# Altium PCB IDC_MCX_Adapter_flex.PCBDOC (part 2 of 4) (continued)
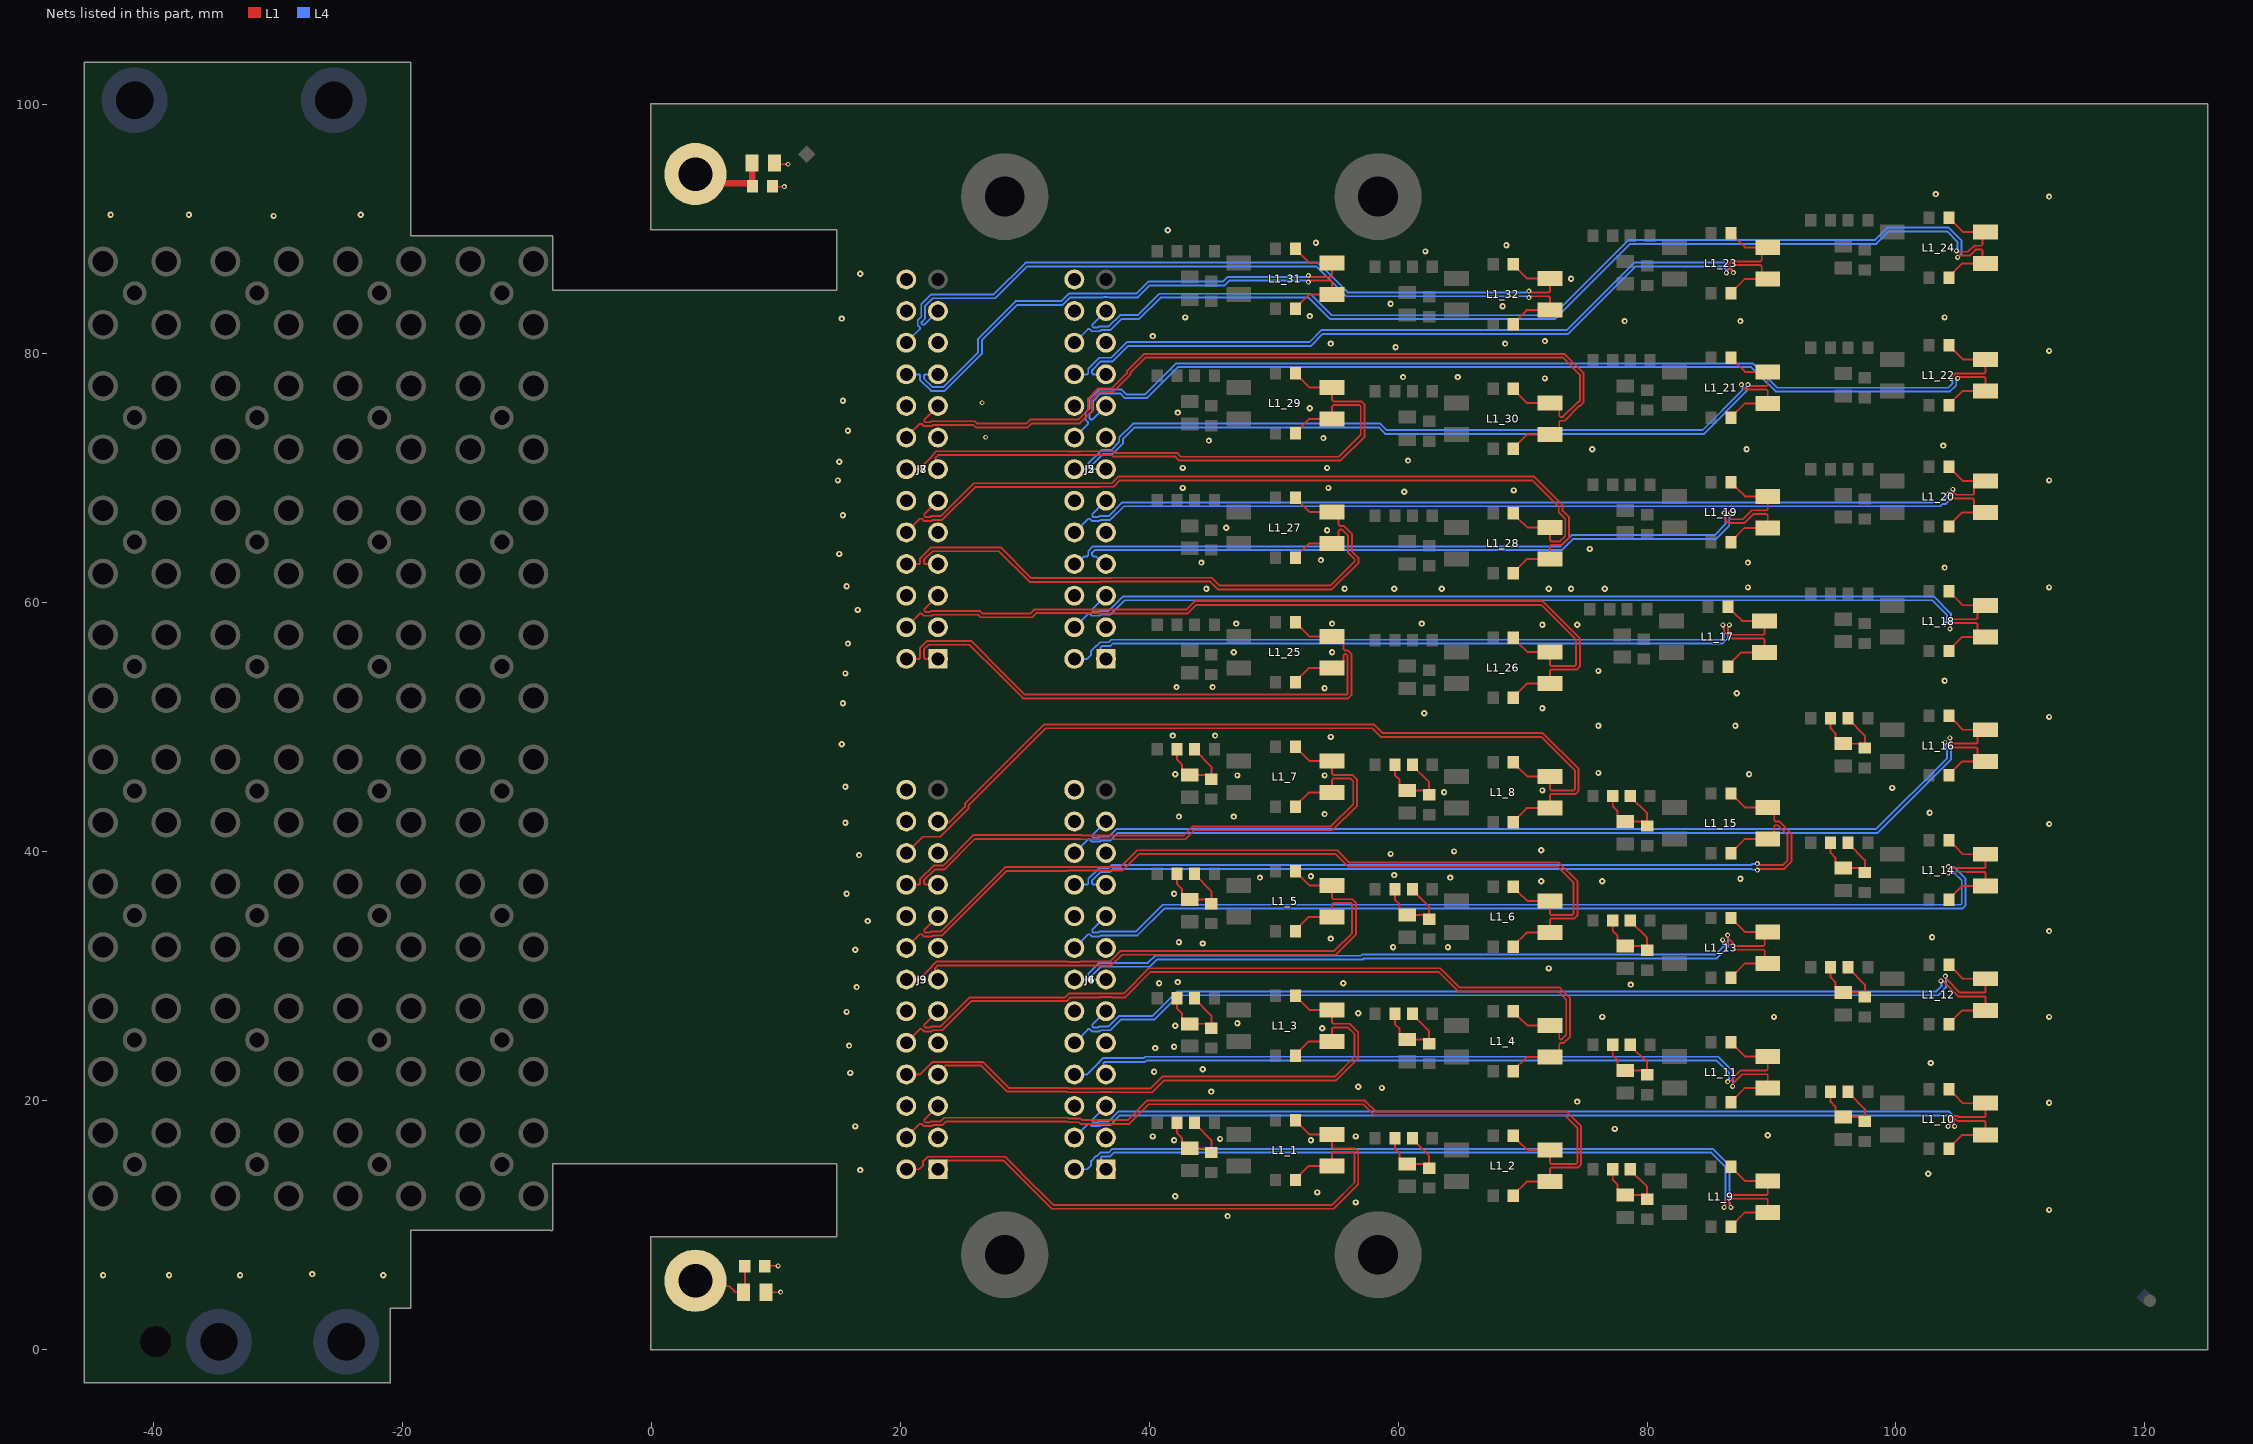
[diagram p4: the nets of this part, all layers, seen from the top]
## Nets (pads, with @x,y where several pads share a name; then routed paths per layer and width w, separated by ;. In a path a pad name is that pad's centre, name@x,y a point inside that pad or via, vN(x,y) a via of type N, cw(c..) or ccw(c..) an arc to the next point about the centre after c; other vN are vias at no path point) (continued)
IN_N18: J2.5 J5.5 L1_18.3 R5_18.2 | length 80.3
  L1 w0.152: R5_18.2@104.25,56.1 104.25,56.15 105.33,57.23 L1_18.3@107.076,57.23 ; v2(104.323,57.877) 104.37,57.925 104.37,58.111 104.607,58.348 106.463,58.348 106.553,58.258 106.553,57.754 L1_18.3@107.076,57.23 ; L1_18.3@107.2,57.23 L1_18.3@107.076,57.23
  L4 w0.152: J2.5@36.532,60.546 35.433,59.447 35.433,59.321 35.523,59.232 35.908,59.232 35.991,59.314 36.755,59.314 37.924,60.483 103.026,60.483 104.405,59.105 104.405,58.274 104.37,58.239 104.37,57.925 v2(104.323,57.877)
IN_N19: J2.8 J5.8 L1_19.3 R5_19.2 | length 63.7
  L1 w0.152: v2(86.189,67.2) 86.189,67.133 86.3,67.022 86.3,66.645 86.568,66.377 87.811,66.377 88.531,67.098 89.611,67.098 89.7,67.008 L1_19.3@89.7,65.98 87.83,65.98 86.75,64.9 R5_19.2@86.75,64.85
  L4 w0.152: J2.8@33.992,63.086 34.184,63.086 34.798,63.7 35.021,63.7 35.11,63.789 35.11,64.126 35.489,64.505 73.039,64.505 73.939,65.405 85.425,65.405 86.3,66.28 86.3,66.8 86.236,66.864 86.236,67.153 v2(86.189,67.2)
IN_N20: J2.11 J5.11 L1_20.3 R5_20.2 | length 77.7
  L1 w0.152: v2(104.2,68.7) 104.247,68.653 104.404,68.653 104.71,68.348 106.187,68.348 106.276,68.258 106.276,67.628 106.674,67.23 105.33,67.23 104.25,66.15 R5_20.2@104.25,66.1
  L4 w0.152: J2.11@36.532,68.166 35.433,67.067 35.433,66.941 35.523,66.852 35.908,66.852 35.991,66.934 36.755,66.934 37.856,68.035 103.435,68.035 103.616,68.216 103.884,68.216 104.221,68.552 104.221,68.679 v2(104.2,68.7)
IN_N21: J2.14 J5.14 L1_21.3 R5_21.2 | length 64.5
  L1 w0.152: R5_21.2@86.75,74.85 86.75,74.9 87.83,75.98 L1_21.3@89.7,75.98 89.7,77.008 89.611,77.098 87.933,77.098 87.573,77.458 v2(87.573,77.5)
  L4 w0.152: J2.14@33.992,70.706 35.021,70.706 35.11,70.795 35.11,71.169 36.184,72.243 36.948,72.243 37.603,72.898 37.603,73.256 38.708,74.362 58.561,74.362 59.08,73.843 84.456,73.843 87.685,77.071 87.685,77.321 87.573,77.433 v2(87.573,77.5)
IN_N22: J2.17 J5.17 L1_22.3 R5_22.2 | length 82.5
  L1 w0.152: R5_22.2@104.25,75.85 104.25,75.9 105.33,76.98 L1_22.3@107.2,76.98 107.2,78.008 107.111,78.098 105.039,78.098 104.95,78.008 v2(104.95,77.999)
  L4 w0.152: J2.17@36.532,75.786 35.433,74.687 35.307,74.687 35.218,74.776 35.218,75.162 35.504,75.448 35.504,76.177 36.117,76.79 37.674,76.79 38.053,76.411 39.811,76.411 42.3,78.9 88.369,78.9 89.184,78.084 90.324,76.945 104.338,76.945 104.838,77.445 104.838,77.821 104.95,77.932 v2(104.95,77.999)
IN_N23: J2.20 J5.20 L1_23.3 R5_23.2 | length 65
  L1 w0.152: R5_23.2@86.75,84.85 86.75,84.9 87.83,85.98 L1_23.3@89.7,85.98 89.218,86.462 89.218,87.008 89.129,87.098 86.946,87.098 86.795,86.946 86.795,86.699 86.927,86.567 v2(86.927,86.5)
  L4 w0.152: J2.20@33.992,78.326 35.021,78.326 35.11,78.415 35.11,78.789 35.981,79.66 36.955,79.66 38.211,80.916 52.884,80.916 53.842,81.873 73.542,81.873 78.974,87.305 86.226,87.305 86.516,87.016 86.664,86.867 86.664,86.83 86.927,86.567 v2(86.927,86.5)
IN_N24: J2.23 J5.23 L1_24.3 R5_24.2 | length 85.1
  L1 w0.152: R5_24.2@104.25,86.1 104.25,86.15 105.33,87.23 L1_24.3@107.2,87.23 106.949,87.481 106.949,88.258 106.86,88.348 106.394,88.348 105.91,87.863 105.157,87.863 105.017,87.723 v2(104.95,87.723)
  L4 w0.152: J2.23@36.532,83.406 35.433,82.307 35.433,82.181 35.523,82.092 35.908,82.092 35.991,82.174 36.755,82.174 37.67,83.089 39.084,83.089 40.795,84.8 52.931,84.8 54.661,83.07 72.47,83.07 78.508,89.108 98.292,89.108 99.289,90.105 104.226,90.105 105.116,89.216 105.255,89.076 105.255,88.028 v2(104.95,87.723)
IN_N25: J7.2 J8.2 L1_25.3 R5_25.2 | length 46.9
  L1 w0.152: J7.2@20.492,55.466 21.521,55.466 21.61,55.555 21.61,56.348 22.167,56.905 25.695,56.905 28.4,54.2 30,52.6 55.861,52.6 55.95,52.689 55.95,55.737 55.839,55.848 55.713,55.848 55.624,55.758 55.624,55.254 55.1,54.73 L1_25.3@54.7,54.73 52.83,54.73 51.75,53.65 R5_25.2@51.75,53.6
IN_N26: J7.5 J8.5 L1_26.3 R5_26.2 | length 65.5
  L1 w0.152: J7.5@23.032,60.546 21.933,59.447 21.933,59.321 22.023,59.232 22.408,59.232 22.491,59.314 26.411,59.314 26.61,59.116 30.484,59.116 30.81,59.441 36.039,59.441 36.064,59.416 42.985,59.416 43.674,60.105 71.626,60.105 74.605,57.126 74.605,54.865 74.337,54.598 72.289,54.598 72.2,54.508 L1_26.3@72.2,53.48 70.33,53.48 69.25,52.4 R5_26.2@69.25,52.35
IN_N27: J7.8 J8.8 L1_27.3 R5_27.2 | length 46.9
  L1 w0.152: J7.8@20.492,63.086 21.521,63.086 21.61,63.175 21.61,63.549 22.48,64.42 28.065,64.42 30.528,61.956 37.001,61.956 37.026,61.981 45.029,61.981 45.657,61.352 54.548,61.352 56.521,63.326 56.521,63.452 55.982,63.992 55.982,65.371 55.506,65.848 55.317,65.848 55.227,65.758 55.227,65.254 54.703,64.73 L1_27.3@54.7,64.73 52.83,64.73 51.75,63.65 R5_27.2@51.75,63.6
IN_N28: J7.11 J8.11 L1_28.3 R5_28.2 | length 64.4
  L1 w0.152: J7.11@23.032,68.166 21.933,67.067 21.933,66.941 22.023,66.852 22.408,66.852 22.491,66.934 23.255,66.934 25.897,69.576 37.001,69.576 37.529,70.105 70.921,70.105 73.216,67.811 73.216,67.359 73.733,66.841 73.733,65.199 73.132,64.598 72.289,64.598 72.2,64.508 L1_28.3@72.2,63.48 70.33,63.48 69.25,62.4 R5_28.2@69.25,62.35
IN_N29: J7.14 J8.14 L1_29.3 R5_29.2 | length 47.2
  L1 w0.152: J7.14@20.492,70.706 21.521,70.706 22.524,71.71 22.524,71.747 22.919,72.141 33.499,72.141 33.524,72.116 34.461,72.116 34.486,72.141 37.127,72.141 37.254,72.014 42.243,72.014 42.557,71.7 55.246,71.7 57,73.454 57,75.758 56.911,75.848 54.789,75.848 54.7,75.758 L1_29.3@54.7,74.73 52.83,74.73 51.75,73.65 R5_29.2@51.75,73.6
IN_N30: J7.17 J8.17 L1_30.3 R5_30.2 | length 68.3
  L1 w0.152: J7.17@23.032,75.786 21.933,74.687 21.933,74.561 22.023,74.472 22.408,74.472 22.491,74.554 26.008,74.554 26.196,74.366 30.12,74.366 30.435,74.681 34.306,74.681 35.097,75.472 35.097,76.381 35.913,77.196 37.001,77.196 38.211,78.406 38.211,78.556 39.619,79.964 73.367,79.964 74.905,78.426 74.905,76.063 74.637,75.795 74.573,75.795 73.375,74.598 73.033,74.598 72.944,74.508 72.944,74.004 72.42,73.48 L1_30.3@72.2,73.48 70.33,73.48 69.25,72.4 R5_30.2@69.25,72.35
IN_N31: J7.20 J8.20 L1_31.3 R5_31.2 | length 43.9
  L1 w0.152: R5_31.2@51.75,83.6 51.75,83.65 52.83,84.73 L1_31.3@54.7,84.73 54.7,85.758 54.611,85.848 52.978,85.848 52.867,85.737 v2(52.8,85.737)
  L4 w0.152: J7.20@20.492,78.326 21.521,78.326 21.61,78.237 21.61,77.863 22.48,76.993 23.585,76.993 26.563,79.971 26.563,81.058 29.4,83.895 33.063,83.895 33.668,84.5 36.248,84.5 cw(c36.532,83.406) 36.817,84.5 39.1,84.5 40.065,85.465 46.057,85.465 46.439,85.848 52.622,85.848 52.733,85.737 v2(52.8,85.737)
IN_N32: J7.23 J8.23 L1_32.3 R5_32.2 | length 60.5
  L1 w0.152: R5_32.2@69.25,82.35 69.25,82.4 70.33,83.48 L1_32.3@72.2,83.48 72.2,84.508 72.111,84.598 70.678,84.598 70.567,84.487 v2(70.5,84.487)
  L4 w0.152: J7.23@23.032,83.406 21.933,82.307 21.807,82.307 21.718,82.396 21.718,82.523 22.004,82.809 22.004,83.832 22.606,84.435 27.635,84.435 30.2,87 53.421,87 55.824,84.598 70.322,84.598 70.433,84.487 v2(70.5,84.487)
IN_P1: J3.1 J9.1 L1_1.4 R1_1.2 | length 45.8
  L1 w0.152: J9.1@23.032,14.466 23.032,14.535 23.662,15.165 28.304,15.165 32.174,11.295 54.826,11.295 56.805,13.274 56.805,15.885 56.537,16.152 54.789,16.152 54.7,16.242 L1_1.4@54.7,17.27 52.88,17.27 52.174,17.976 52.124,17.976 R1_1.2@51.75,18.35
IN_P2: J3.4 J9.4 L1_2.4 R1_2.2 | length 65.7
  L1 w0.152: J9.4@20.492,17.006 21.592,18.105 21.718,18.105 21.896,17.927 22.534,17.927 22.617,18.009 23.381,18.009 23.667,18.295 33.394,18.295 33.451,18.238 34.359,18.238 34.486,18.111 38.411,18.111 39.984,19.684 57.184,19.684 58.069,18.8 73.4,18.8 74.4,17.8 74.4,14.992 74.311,14.902 72.289,14.902 72.2,14.992 L1_2.4@72.2,16.02 70.38,16.02 69.674,16.726 69.624,16.726 69.25,17.1 R1_2.2@69.25,17.15
IN_P3: J3.7 J9.7 L1_3.4 R1_3.2 | length 45.1
  L1 w0.152: J9.7@23.032,22.086 23.032,22.19 23.627,22.785 26.524,22.785 28.614,20.695 33.354,20.695 33.398,20.651 36.039,20.651 36.064,20.676 37.001,20.676 37.026,20.651 40.251,20.651 41.197,21.597 55.028,21.597 56.805,23.374 56.805,25.474 56.126,26.152 54.789,26.152 54.7,26.242 L1_3.4@54.7,27.27 52.88,27.27 52.174,27.976 52.124,27.976 R1_3.2@51.75,28.35
IN_P4: J3.10 J9.10 L1_4.4 R1_4.2 | length 65
  L1 w0.152: J9.10@20.492,24.626 21.592,25.725 21.718,25.725 21.896,25.547 22.534,25.547 22.617,25.629 23.381,25.629 25.725,27.973 33.38,27.973 33.679,28.271 36.039,28.271 36.064,28.296 37.001,28.296 37.026,28.271 38.071,28.271 40.111,30.311 63.263,30.311 64.824,28.75 72.85,28.75 73.509,28.091 73.509,25.252 73.159,24.902 73.033,24.902 72.944,24.992 72.944,25.496 72.42,26.02 L1_4.4@72.2,26.02 70.38,26.02 69.674,26.726 69.624,26.726 69.25,27.1 R1_4.2@69.25,27.15
IN_P5: J3.13 J9.13 L1_5.4 R1_5.2 | length 45
  L1 w0.152: J9.13@23.032,29.706 22.807,29.931 22.807,30.621 23.023,30.836 36.972,30.836 37.831,31.695 54.989,31.695 56.605,33.311 56.605,35.885 56.337,36.152 54.789,36.152 54.7,36.242 L1_5.4@54.7,37.27 52.88,37.27 52.174,37.976 52.124,37.976 51.75,38.35 R1_5.2@51.75,38.4
IN_P6: J3.16 J9.16 L1_6.4 R1_6.2 | length 66.8
  L1 w0.152: J9.16@20.492,32.246 21.592,33.345 21.718,33.345 21.896,33.167 22.534,33.167 22.617,33.249 23.381,33.249 28.563,38.431 33.499,38.431 33.524,38.456 37.856,38.456 39.184,39.784 54.984,39.784 55.969,38.8 72.8,38.8 74.1,37.5 74.1,34.992 74.011,34.902 72.289,34.902 72.2,34.992 L1_6.4@72.2,36.02 70.38,36.02 69.674,36.726 69.624,36.726 69.25,37.1 R1_6.2@69.25,37.15
IN_P7: J3.19 J9.19 L1_7.4 R1_7.2 | length 47.5
  L1 w0.152: J9.19@23.032,37.326 22.004,37.326 21.915,37.415 21.915,37.663 22.81,38.558 23.574,38.558 26.012,40.996 34.461,40.996 34.486,40.971 42.909,40.971 43.633,41.695 54.726,41.695 56.705,43.674 56.705,45.774 56.326,46.152 54.789,46.152 54.7,46.242 L1_7.4@54.7,47.27 52.88,47.27 52.174,47.976 52.124,47.976 51.75,48.35 R1_7.2@51.75,48.4
IN_P8: J3.22 J9.22 L1_8.4 R1_8.2 | length 67.5
  L1 w0.152: J9.22@20.492,39.866 21.802,41.175 23.22,41.175 25.5,43.455 25.5,43.7 31.695,49.895 57.929,49.895 58.624,49.2 71.5,49.2 74.2,46.5 74.2,44.992 74.111,44.902 72.289,44.902 72.2,44.992 L1_8.4@72.2,46.02 70.38,46.02 69.674,46.726 69.624,46.726 69.25,47.1 R1_8.2@69.25,47.15
IN_P9: J4.1 J6.1 L1_9.4 R1_9.2 | length 63.9
  L1 w0.152: v2(86.2,11.4) 86.2,11.467 86.311,11.578 86.311,11.985 86.728,12.402 89.611,12.402 89.7,12.492 L1_9.4@89.7,13.52 87.88,13.52 87.174,14.226 87.124,14.226 86.75,14.6 R1_9.2@86.75,14.65
  L4 w0.152: J6.1@36.532,14.466 36.532,14.858 36.125,15.265 36.125,15.406 36.214,15.495 36.871,15.495 37.176,15.8 85.15,15.8 86.311,14.639 86.311,11.716 86.247,11.652 86.247,11.447 v2(86.2,11.4)
IN_P10: J4.4 J6.4 L1_10.4 R1_10.2 | length 80.2
  L1 w0.152: v2(104.189,17.9) 104.189,17.967 104.3,18.078 104.3,18.485 104.568,18.753 104.947,18.753 105.047,18.652 107.111,18.652 107.2,18.742 L1_10.4@107.2,19.77 105.38,19.77 104.674,20.476 104.624,20.476 104.25,20.85 R1_10.2@104.25,20.9
  L4 w0.152: J6.4@33.992,17.006 35.092,18.105 35.218,18.105 35.396,17.927 36.034,17.927 36.117,18.009 36.881,18.009 37.656,18.784 104.166,18.784 104.3,18.65 104.3,18.078 104.189,17.967 v2(104.189,17.9)
IN_P11: J4.7 J6.7 L1_11.4 R1_11.2 | length 60.6
  L1 w0.152: v2(86.469,21.5) 86.517,21.547 86.675,21.547 87.53,22.402 89.611,22.402 89.7,22.492 L1_11.4@89.7,23.52 87.88,23.52 87.174,24.226 87.124,24.226 86.75,24.6 R1_11.2@86.75,24.65
  L4 w0.152: J6.7@36.532,22.086 36.329,22.289 36.329,23.001 36.418,23.09 39.69,23.09 39.8,23.2 85.6,23.2 86.6,22.2 86.6,21.698 86.469,21.567 v2(86.469,21.5)
IN_P12: J4.10 J6.10 L1_12.4 R1_12.2 | length 81.3
  L1 w0.152: v2(103.973,29.973) 104.02,29.925 104.02,29.768 105.136,28.652 107.111,28.652 107.2,28.742 L1_12.4@107.2,29.77 105.38,29.77 104.674,30.476 104.624,30.476 104.25,30.85 R1_12.2@104.25,30.9
  L4 w0.152: J6.10@33.992,24.626 35.092,25.725 35.218,25.725 35.396,25.547 36.034,25.547 36.117,25.629 36.881,25.629 37.736,26.484 40.411,26.484 42.371,28.445 103.376,28.445 104.003,29.072 104.003,29.942 v2(103.973,29.973)
IN_P13: J4.13 J6.13 L1_13.4 R1_13.2 | length 62.5
  L1 w0.152: v2(86.473,33.265) 86.52,33.218 86.52,33.038 87.156,32.402 89.363,32.402 89.453,32.492 89.453,33.273 L1_13.4@89.7,33.52 87.88,33.52 87.174,34.226 87.124,34.226 86.75,34.6 R1_13.2@86.75,34.65
  L4 w0.152: J6.13@36.532,29.706 35.504,29.706 35.415,29.795 35.415,30.043 36.106,30.735 40.035,30.735 40.611,31.311 57.146,31.311 57.244,31.409 85.609,31.409 86.505,32.305 86.505,33.233 v2(86.473,33.265)
IN_P14: J4.16 J6.16 L1_14.4 R1_14.2 | length 84.6
  L1 w0.152: v2(104.2,38.777) 104.267,38.777 104.378,38.666 105.762,38.666 105.776,38.652 107.111,38.652 107.2,38.742 L1_14.4@107.2,39.77 105.38,39.77 104.674,40.476 104.624,40.476 104.25,40.85 R1_14.2@104.25,40.9
  L4 w0.152: J6.16@33.992,32.246 35.092,33.345 35.218,33.345 35.396,33.167 36.034,33.167 36.117,33.249 39.067,33.249 41.226,35.409 105.321,35.409 105.589,35.677 105.589,37.792 104.629,38.752 104.225,38.752 v2(104.2,38.777)
IN_P15: J4.19 J6.19 L1_15.4 R1_15.2 | length 67.1
  L1 w0.152: R1_15.2@86.75,44.65 86.75,44.6 87.124,44.226 87.174,44.226 87.88,43.52 L1_15.4@89.7,43.52 90.224,42.996 90.224,42.492 90.313,42.402 90.632,42.402 91.605,41.43 91.605,39.174 91.031,38.6 89.048,38.6 88.937,38.489 v2(88.87,38.489)
  L4 w0.152: J6.19@36.532,37.326 35.504,37.326 35.415,37.415 35.415,37.663 36.106,38.355 36.871,38.355 37.116,38.6 88.365,38.6 88.441,38.524 88.835,38.524 v2(88.87,38.489)
IN_P16: J4.22 J6.22 L1_16.4 R1_16.2 | length 82.7
  L1 w0.152: R1_16.2@104.25,50.9 104.25,50.85 104.624,50.476 104.674,50.476 105.38,49.77 L1_16.4@107.076,49.77 ; v2(104.323,49.123) 104.37,49.075 104.37,48.918 104.636,48.652 106.463,48.652 106.553,48.742 106.553,49.246 L1_16.4@107.076,49.77 ; L1_16.4@107.2,49.77 L1_16.4@107.076,49.77
  L4 w0.152: J6.22@33.992,39.866 35.092,40.965 35.218,40.965 35.396,40.787 36.034,40.787 36.117,40.869 36.881,40.869 37.496,41.484 98.516,41.484 104.405,47.374 104.405,48.024 104.442,48.061 104.442,48.499 104.353,48.587 104.353,49.092 v2(104.323,49.123)
IN_P17: J2.1 J5.1 L1_17.4 R1_17.2 | length 61
  L1 w0.152: R1_17.2@86.5,59.65 86.5,59.6 86.874,59.226 86.924,59.226 87.63,58.52 L1_17.4@89.45,58.52 89.45,57.492 89.361,57.402 86.874,57.402 86.505,57.771 86.505,58.022 86.616,58.133 v2(86.616,58.2)
  L4 w0.152: J2.1@36.532,55.466 36.1,55.899 36.1,56.381 36.214,56.495 36.871,56.495 37.076,56.7 86.076,56.7 86.505,57.129 86.505,57.9 86.569,57.964 86.569,58.153 v2(86.616,58.2)
IN_P18: J2.4 J5.4 L1_18.4 R1_18.2 | length 80
  L1 w0.152: v2(103.92,58.252) 103.968,58.299 104.127,58.299 104.481,58.652 106.463,58.652 106.553,58.742 106.553,59.246 L1_18.4@107.076,59.77 ; R1_18.2@104.25,60.9 104.25,60.85 104.624,60.476 104.674,60.476 105.38,59.77 L1_18.4@107.076,59.77 ; L1_18.4@107.2,59.77 L1_18.4@107.076,59.77
  L4 w0.152: J2.4@33.992,58.006 35.092,59.105 35.218,59.105 35.396,58.927 36.034,58.927 36.117,59.009 36.881,59.009 38.05,60.178 102.9,60.178 104.1,58.978 104.1,58.4 103.952,58.252 v2(103.92,58.252)
IN_P19: J2.7 J5.7 L1_19.4 R1_19.2 | length 63.2
  L1 w0.152: v2(86.716,67.2) 86.716,67.133 86.605,67.022 86.605,66.771 86.694,66.682 87.685,66.682 88.405,67.402 89.611,67.402 89.7,67.492 L1_19.4@89.7,68.52 87.88,68.52 87.174,69.226 87.124,69.226 86.75,69.6 R1_19.2@86.75,69.65
  L4 w0.152: J2.7@36.532,63.086 36.341,63.086 35.727,63.7 35.504,63.7 35.415,63.789 35.415,64 35.615,64.2 73.165,64.2 74.065,65.1 85.551,65.1 86.605,66.154 86.605,66.8 86.669,66.864 86.669,67.153 v2(86.716,67.2)
IN_P20: J2.10 J5.10 L1_20.4 R1_20.2 | length 78.8
  L1 w0.152: R1_20.2@104.25,70.9 104.25,70.85 104.624,70.476 104.674,70.476 105.38,69.77 106.8,69.77 106.276,69.246 106.276,68.742 106.187,68.652 104.836,68.652 104.62,68.868 104.62,69.025 v2(104.573,69.073)
  L4 w0.152: J2.10@33.992,65.626 35.092,66.725 35.218,66.725 35.396,66.547 36.034,66.547 36.117,66.629 36.881,66.629 37.982,67.73 103.561,67.73 103.742,67.911 104.011,67.911 104.603,68.503 104.603,69.042 v2(104.573,69.073)
IN_P21: J2.13 J5.13 L1_21.4 R1_21.2 | length 63.8
  L1 w0.152: R1_21.2@86.75,79.65 86.75,79.6 87.124,79.226 87.174,79.226 87.88,78.52 L1_21.4@89.7,78.52 89.7,77.492 89.611,77.402 88.189,77.402 88.1,77.492 v2(88.1,77.501)
  L4 w0.152: J2.13@36.532,70.706 35.504,70.706 35.415,70.795 35.415,71.043 36.31,71.938 37.074,71.938 37.907,72.771 37.907,73.13 38.835,74.057 58.435,74.057 58.954,73.538 84.582,73.538 87.989,76.945 87.989,77.323 88.1,77.434 v2(88.1,77.501)
IN_P22: J2.16 J5.16 L1_22.4 R1_22.2 | length 83.5
  L1 w0.152: R1_22.2@104.25,80.65 104.25,80.6 104.624,80.226 104.674,80.226 105.38,79.52 L1_22.4@107.2,79.52 107.2,78.492 107.111,78.402 104.783,78.402 104.423,78.042 v2(104.423,78)
  L4 w0.152: J2.16@33.992,73.246 35.092,74.345 35.092,74.472 34.913,74.65 34.913,75.288 35.199,75.574 35.199,76.303 35.99,77.095 37.8,77.095 38.179,76.716 39.684,76.716 42.174,79.205 88.495,79.205 89.184,78.516 90.45,77.25 104.212,77.25 104.534,77.571 104.534,77.822 104.423,77.933 v2(104.423,78)
IN_P23: J2.19 J5.19 L1_23.4 R1_23.2 | length 64.4
  L1 w0.152: v2(86.378,86.478) 86.378,86.545 86.49,86.657 86.49,87.073 86.82,87.402 89.129,87.402 89.218,87.492 89.218,88.038 L1_23.4@89.7,88.52 87.88,88.52 87.174,89.226 87.124,89.226 86.75,89.6 R1_23.2@86.75,89.65
  L4 w0.152: J2.19@36.532,78.326 35.504,78.326 35.415,78.415 35.415,78.663 36.107,79.355 37.081,79.355 38.337,80.611 53.011,80.611 53.968,81.568 73.668,81.568 79.1,87 86.1,87 86.331,86.769 86.331,86.526 v2(86.378,86.478)
IN_P24: J2.22 J5.22 L1_24.4 R1_24.2 | length 84.3
  L1 w0.152: R1_24.2@104.25,90.9 104.25,90.85 104.624,90.476 104.674,90.476 105.38,89.77 L1_24.4@107.2,89.77 106.949,89.519 106.949,88.742 106.86,88.652 106.268,88.652 105.783,88.168 105.065,88.168 105.03,88.203 104.899,88.203 v2(104.852,88.25)
  L4 w0.152: J2.22@33.992,80.866 35.092,81.965 35.218,81.965 35.396,81.787 36.034,81.787 36.117,81.869 36.881,81.869 37.796,82.784 39.211,82.784 40.921,84.495 52.805,84.495 54.535,82.765 72.596,82.765 78.634,88.803 98.418,88.803 99.416,89.8 104.1,89.8 104.95,88.95 104.95,88.339 104.861,88.25 v2(104.852,88.25)
IN_P25: J7.1 J8.1 L1_25.4 R1_25.2 | length 47.4
  L1 w0.152: J7.1@23.032,55.466 22.004,55.466 21.915,55.555 21.915,56.222 22.293,56.6 25.569,56.6 28.077,54.092 29.874,52.295 55.987,52.295 56.255,52.563 56.255,55.863 55.966,56.152 55.713,56.152 55.624,56.242 55.624,56.746 55.1,57.27 L1_25.4@54.7,57.27 52.88,57.27 52.174,57.976 52.124,57.976 51.75,58.35 R1_25.2@51.75,58.4
IN_P26: J7.4 J8.4 L1_26.4 R1_26.2 | length 64.7
  L1 w0.152: J7.4@20.492,58.006 21.592,59.105 21.718,59.105 21.896,58.927 22.534,58.927 22.617,59.009 26.285,59.009 26.483,58.811 30.611,58.811 30.936,59.136 35.913,59.136 35.938,59.111 43.112,59.111 43.8,59.8 71.5,59.8 74.3,57 74.3,54.992 74.211,54.902 72.289,54.902 72.2,54.992 L1_26.4@72.2,56.02 70.38,56.02 69.674,56.726 69.624,56.726 69.25,57.1 R1_26.2@69.25,57.15
IN_P27: J7.7 J8.7 L1_27.4 R1_27.2 | length 47.4
  L1 w0.152: J7.7@23.032,63.086 22.004,63.086 21.915,63.175 21.915,63.423 22.606,64.115 27.939,64.115 30.402,61.651 36.039,61.651 36.064,61.676 44.902,61.676 45.531,61.048 54.674,61.048 56.826,63.2 56.826,63.579 56.737,63.668 56.287,64.118 56.287,65.498 55.632,66.152 55.317,66.152 55.227,66.242 55.227,66.746 54.703,67.27 L1_27.4@54.7,67.27 52.88,67.27 52.174,67.976 52.124,67.976 51.75,68.35 R1_27.2@51.75,68.4
IN_P28: J7.10 J8.10 L1_28.4 R1_28.2 | length 63.7
  L1 w0.152: J7.10@20.492,65.626 21.592,66.725 21.718,66.725 21.896,66.547 22.534,66.547 22.617,66.629 23.381,66.629 26.023,69.271 36.039,69.271 36.064,69.296 37.152,69.296 37.656,69.8 70.795,69.8 72.911,67.684 72.911,67.233 73.429,66.715 73.429,65.325 73.006,64.902 72.289,64.902 72.2,64.992 L1_28.4@72.2,66.02 70.38,66.02 69.674,66.726 69.624,66.726 69.25,67.1 R1_28.2@69.25,67.15
IN_P29: J7.13 J8.13 L1_29.4 R1_29.2 | length 46.3
  L1 w0.152: J7.13@23.032,70.706 22.829,70.909 22.829,71.621 23.045,71.836 37.001,71.836 37.128,71.709 42.116,71.709 42.43,71.395 55.373,71.395 57.305,73.327 57.305,75.885 57.037,76.152 54.789,76.152 54.7,76.242 L1_29.4@54.7,77.27 52.88,77.27 52.174,77.976 52.124,77.976 51.75,78.35 R1_29.2@51.75,78.4
IN_P30: J7.16 J8.16 L1_30.4 R1_30.2 | length 67.5
  L1 w0.152: J7.16@20.492,73.246 21.592,74.345 21.718,74.345 21.896,74.167 22.534,74.167 22.617,74.249 25.882,74.249 26.07,74.062 30.246,74.062 30.561,74.376 34.432,74.376 35.402,75.346 35.402,76.254 36.064,76.916 37.116,76.916 38.49,78.29 38.49,78.44 39.734,79.684 73.216,79.684 74.6,78.3 74.6,76.189 74.511,76.1 74.446,76.1 73.249,74.902 73.033,74.902 72.944,74.992 72.944,75.496 72.42,76.02 L1_30.4@72.2,76.02 70.38,76.02 69.674,76.726 69.624,76.726 69.25,77.1 R1_30.2@69.25,77.15
IN_P31: J7.19 J8.19 L1_31.4 R1_31.2 | length 43.4
  L1 w0.152: R1_31.2@51.75,88.4 51.75,88.35 52.124,87.976 52.174,87.976 52.88,87.27 L1_31.4@54.7,87.27 54.7,86.242 54.611,86.152 52.978,86.152 52.867,86.264 v2(52.8,86.264)
  L4 w0.152: J7.19@23.032,78.326 22.004,78.326 21.915,78.237 21.915,77.989 22.606,77.298 23.459,77.298 26.258,80.097 26.258,81.185 29.274,84.2 32.936,84.2 33.541,84.805 36.357,84.805 cw(c36.532,83.406) 36.708,84.805 38.974,84.805 39.939,85.77 45.931,85.77 46.313,86.152 52.622,86.152 52.733,86.264 v2(52.8,86.264)
IN_P32: J7.22 J8.22 L1_32.4 R1_32.2 | length 61.2
  L1 w0.152: R1_32.2@69.25,87.15 69.25,87.1 69.624,86.726 69.674,86.726 70.38,86.02 L1_32.4@72.2,86.02 72.2,84.992 72.111,84.902 70.678,84.902 70.567,85.014 v2(70.5,85.014)
  L4 w0.152: J7.22@20.492,80.866 21.592,81.965 21.592,82.092 21.413,82.27 21.413,82.649 21.699,82.935 21.699,83.958 22.48,84.74 27.509,84.74 30.074,87.305 53.548,87.305 54.548,86.305 54.655,86.197 55.95,84.902 70.322,84.902 70.433,85.014 v2(70.5,85.014)
N13V0_SCSIa: J3.26 J9.26
N13V0_SCSIb: J4.26 J6.26
N13V0_SCSIc: J2.26 J5.26
N13V0_SCSId: J7.26 J8.26
NetB1_1: B1.1 C11.1 R17.2 | length 6.6
  L1 w0.508: B1.1@3.556,94.412 4.282,93.686 R17.2@7.946,93.686 ; C11.1@8.1,95.3 8.121,95.279 8.121,93.461 R17.2@8.142,93.44
NetB7_1: B7.1 C15.1 R23.2 | length 6.4
  L1 w0.152: B7.1@3.556,5.512 4,5.068 6.285,5.068 6.667,4.686 6.667,4.67 6.756,4.581 C15.1@7.424,4.581 7.524,4.681 R23.2@7.524,6.673
NetC1_1_2: C1_1.2 R2_1.1 R3_1.2 R4_1.2 | length 7.4
  L1 w0.152: R3_1.2@42.25,18.2 42.25,17.376 42.626,16.999 42.626,16.599 43.075,16.15 C1_1.2@43.25,16.15 44.65,16.15 R4_1.2@45,15.8 45,16.8 43.65,18.15 R2_1.1@43.65,18.2
NetC1_2_2: C1_2.2 R2_2.1 R3_2.2 R4_2.2 | length 7.4
  L1 w0.152: R3_2.2@59.75,16.95 59.75,16.126 60.126,15.749 60.126,15.349 60.575,14.9 C1_2.2@60.75,14.9 62.15,14.9 R4_2.2@62.5,14.55 62.5,15.55 61.15,16.9 R2_2.1@61.15,16.95
NetC1_3_2: C1_3.2 R2_3.1 R3_3.2 R4_3.2 | length 7.4
  L1 w0.152: R3_3.2@42.25,28.2 42.25,27.376 42.626,26.999 42.626,26.599 43.075,26.15 C1_3.2@43.25,26.15 44.65,26.15 R4_3.2@45,25.8 45,26.8 R2_3.1@43.65,28.15
NetC1_4_2: C1_4.2 R2_4.1 R3_4.2 R4_4.2 | length 7.4
  L1 w0.152: R3_4.2@59.75,26.95 59.75,26.126 60.126,25.749 60.126,25.349 60.575,24.9 C1_4.2@60.75,24.9 62.15,24.9 R4_4.2@62.5,24.55 62.5,25.55 61.15,26.9 R2_4.1@61.15,26.95
NetC1_5_2: C1_5.2 R2_5.1 R3_5.2 R4_5.2 | length 7.4
  L1 w0.152: R3_5.2@42.25,38.2 42.25,37.376 42.626,36.999 42.626,36.599 43.075,36.15 C1_5.2@43.25,36.15 44.65,36.15 R4_5.2@45,35.8 45,36.8 43.65,38.15 R2_5.1@43.65,38.2
NetC1_6_2: C1_6.2 R2_6.1 R3_6.2 R4_6.2 | length 7.4
  L1 w0.152: R3_6.2@59.75,36.95 59.75,36.126 60.126,35.749 60.126,35.349 60.575,34.9 C1_6.2@60.75,34.9 62.15,34.9 R4_6.2@62.5,34.55 62.5,35.55 61.15,36.9 R2_6.1@61.15,36.95
NetC1_7_2: C1_7.2 R2_7.1 R3_7.2 R4_7.2 | length 7.4
  L1 w0.152: R3_7.2@42.25,48.2 42.25,47.376 42.626,46.999 42.626,46.599 43.075,46.15 C1_7.2@43.25,46.15 44.65,46.15 R4_7.2@45,45.8 45,46.8 43.65,48.15 R2_7.1@43.65,48.2
NetC1_8_2: C1_8.2 R2_8.1 R3_8.2 R4_8.2 | length 7.4
  L1 w0.152: R3_8.2@59.75,46.95 59.75,46.126 60.126,45.749 60.126,45.349 60.575,44.9 C1_8.2@60.75,44.9 62.15,44.9 R4_8.2@62.5,44.55 62.5,45.55 61.15,46.9 R2_8.1@61.15,46.95
NetC1_9_2: C1_9.2 R2_9.1 R3_9.2 R4_9.2 | length 7.4
  L1 w0.152: R3_9.2@77.25,14.45 77.25,13.626 77.626,13.249 77.626,12.849 78.075,12.4 C1_9.2@78.25,12.4 79.65,12.4 R4_9.2@80,12.05 80,13.05 78.65,14.4 R2_9.1@78.65,14.45
NetC1_10_2: C1_10.2 R2_10.1 R3_10.2 R4_10.2 | length 7.4
  L1 w0.152: R3_10.2@94.75,20.7 94.75,19.876 95.126,19.499 95.126,19.099 95.575,18.65 C1_10.2@95.75,18.65 97.15,18.65 R4_10.2@97.5,18.3 97.5,19.3 96.15,20.65 R2_10.1@96.15,20.7
NetC1_11_2: C1_11.2 R2_11.1 R3_11.2 R4_11.2 | length 7.4
  L1 w0.152: R3_11.2@77.25,24.45 77.25,23.626 77.626,23.249 77.626,22.849 78.075,22.4 C1_11.2@78.25,22.4 79.65,22.4 R4_11.2@80,22.05 80,23.05 78.65,24.4 R2_11.1@78.65,24.45
NetC1_12_2: C1_12.2 R2_12.1 R3_12.2 R4_12.2 | length 7.4
  L1 w0.152: R3_12.2@94.75,30.7 94.75,29.876 95.126,29.499 95.126,29.099 95.575,28.65 C1_12.2@95.75,28.65 97.15,28.65 R4_12.2@97.5,28.3 97.5,29.3 96.15,30.65 R2_12.1@96.15,30.7
NetC1_13_2: C1_13.2 R2_13.1 R3_13.2 R4_13.2 | length 7.4
  L1 w0.152: R3_13.2@77.25,34.45 77.25,33.626 77.626,33.249 77.626,32.849 78.075,32.4 C1_13.2@78.25,32.4 79.65,32.4 R4_13.2@80,32.05 80,33.05 78.65,34.4 R2_13.1@78.65,34.45
NetC1_14_2: C1_14.2 R2_14.1 R3_14.2 R4_14.2 | length 7.4
  L1 w0.152: R3_14.2@94.75,40.7 94.75,39.876 95.126,39.499 95.126,39.099 95.575,38.65 C1_14.2@95.75,38.65 97.15,38.65 R4_14.2@97.5,38.3 97.5,39.3 96.15,40.65 R2_14.1@96.15,40.7
NetC1_15_2: C1_15.2 R2_15.1 R3_15.2 R4_15.2 | length 7.4
  L1 w0.152: R3_15.2@77.25,44.45 77.25,43.626 77.626,43.249 77.626,42.849 78.075,42.4 C1_15.2@78.25,42.4 79.65,42.4 R4_15.2@80,42.05 80,43.05 78.65,44.4 R2_15.1@78.65,44.45
NetC1_16_2: C1_16.2 R2_16.1 R3_16.2 R4_16.2 | length 7.4
  L1 w0.152: R3_16.2@94.75,50.7 94.75,49.876 95.126,49.499 95.126,49.099 95.575,48.65 C1_16.2@95.75,48.65 97.15,48.65 R4_16.2@97.5,48.3 97.5,49.3 96.15,50.65 R2_16.1@96.15,50.7